# Altium PCB PCB_TEST.PcbDoc (part 3 of 6)
Units mil, origin at the board's own origin, x right, y up, seen from the top; angles counter-clockwise.
Board outline 6000 x 4000 mil, 2 copper layers (Top Layer, Bottom Layer); 1506 components, 800 nets, 4143 pads, 6 vias.
Unrouted connection lines stored in the file: 2993.
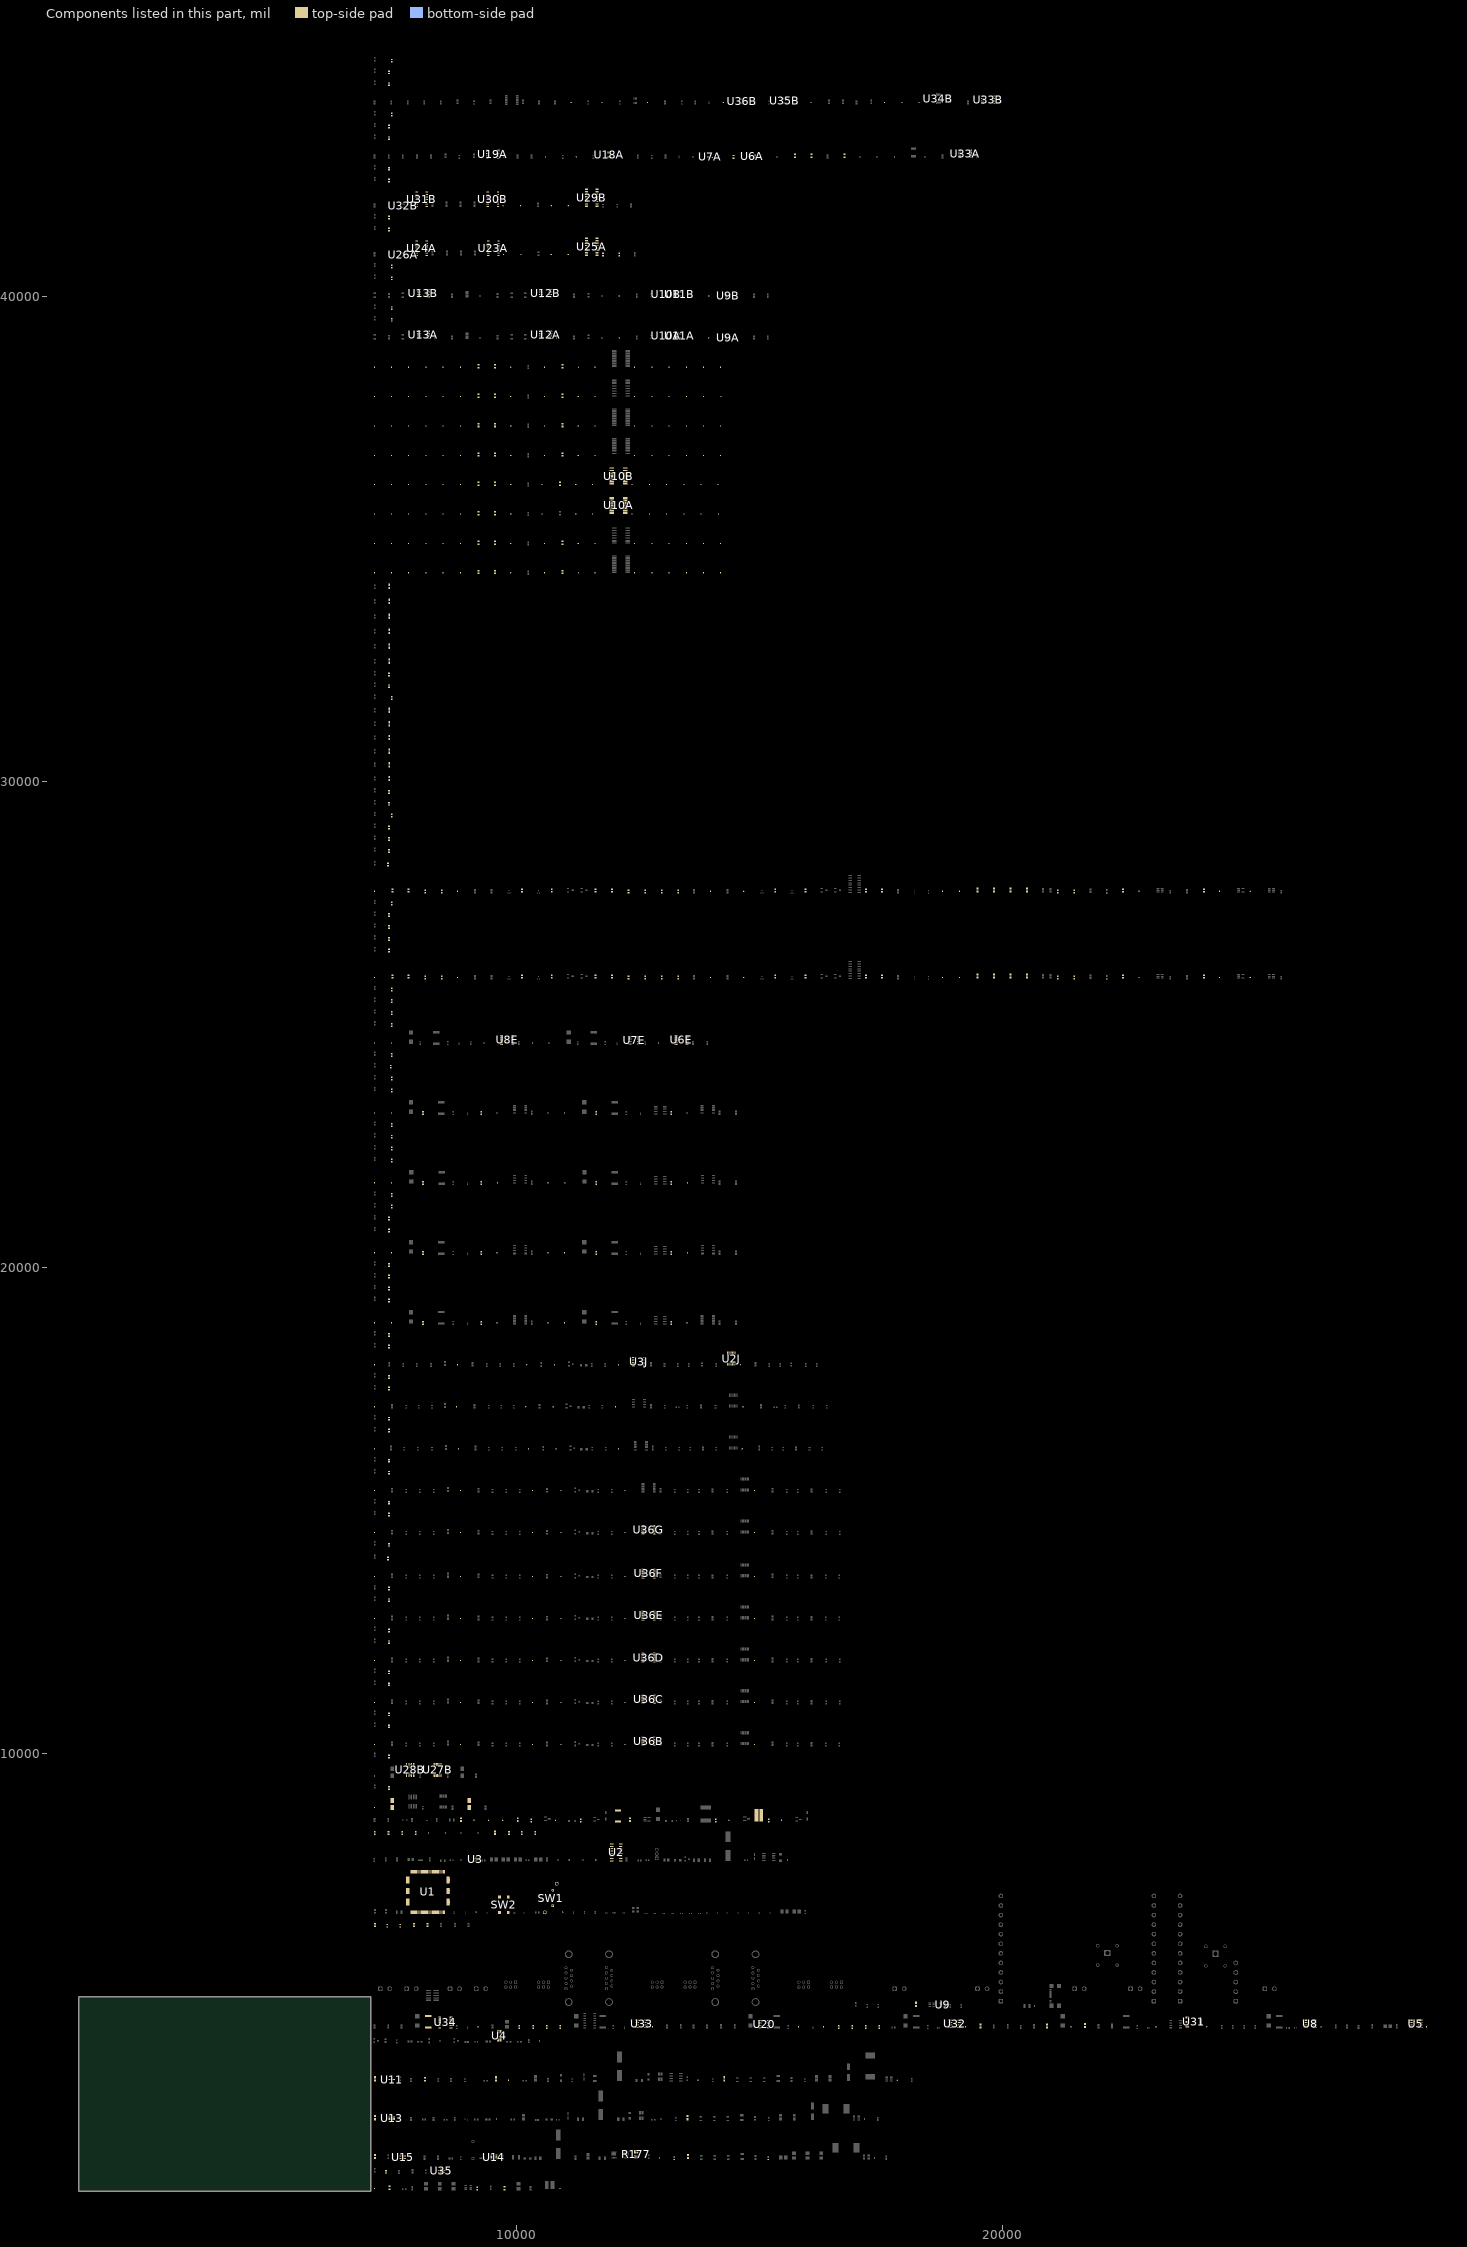
[diagram p3: the components of this part, seen from the top]

## Components (designator, comment, footprint, x,y, rotation, side; value= is the part's Value field where it differs from the comment) (continued)
R106B "Resistor 10k +/-1% 0603 100 mW" RESC1608X55X25ML10T15 10900,36135 r90 top value=10k (schematic designator R176)
R107 "Resistor 22R +/-1% 0603 100 mW" RESC1609X50X30ML08T20 8175,6475 r90 top value=22
R107A "Resistor 10k +/-1% 0603 100 mW" RESC1608X55X25ML10T15 9220,35530 r90 top value=10k (schematic designator R177)
R107B "Resistor 10k +/-1% 0603 100 mW" RESC1608X55X25ML10T15 9220,36135 r90 top value=10k (schematic designator R177)
R108 "Resistor 22R +/-1% 0603 100 mW" RESC1609X50X30ML08T20 7895,6475 r90 top value=22
R108A "Resistor 10k +/-1% 0603 100 mW" RESC1608X55X25ML10T15 9560,35530 r90 top value=10k (schematic designator R178)
R108B "Resistor 10k +/-1% 0603 100 mW" RESC1608X55X25ML10T15 9560,36135 r90 top value=10k (schematic designator R178)
R109 "AC0603JR-1347KL" FP-AC0603-IPC_C 7610,6460 r90 top value=47k
R110 "AC0603JR-1347KL" FP-AC0603-IPC_C 7340,6460 r90 top value=47k
R111 "AC0603FR-7W100KL" FP-AC0603-IPC_C 15185,1675 r90 top value=100k (schematic designator R137)
R111 "Resistor 10k +/-1% 0603 100 mW" RESC1608X55X25ML10T15 7095,6475 r90 top value=10k
R112 "CRGCQ0603J1K5" FP-CRGCQ0603-IPC_A 18225,4840 r90 top value=1.5k
R112 "AC0603FR-0719K1L" FP-AC0603-IPC_C 13255,1675 r90 top value=19.1k (schematic designator R139)
R113 "CRCW060333K2FKEAHP" FP-CRCW0603-HPe3-MFG 9755,1055 r90 top value=33.2k (schematic designator R148)
R114 "Resistor 10k +/-1% 0603 100 mW" RESC1608X55X25ML10T15 7390,1070 r90 top value=10k (schematic designator R150)
R116 "CRGCQ0603F12K" FP-CRGCQ0603-IPC_A 14280,3310 r90 top value=12k
R116A "AC0603FR-7W100KL" FP-AC0603-IPC_C 11785,40855 r90 top value=100k (schematic designator R85)
R117A "AC0603FR-7W100KL" FP-AC0603-IPC_C 12115,40855 r90 top value=100k (schematic designator R86)
R123 "MCT06030C2002FPW00" FP-MCT0603-IPC_A 21705,4405 r90 top value=20k (schematic designator R67)
R124 "RN73R1JTTD1004B25" FP-RN73R1J-IPC_B 20925,4395 r90 top value=1M (schematic designator R68)
R125 "CRGCQ0603F12K" FP-CRGCQ0603-IPC_A 7095,3310 r90 top value=12k
R125 "RN73R1JTTD1004B25" FP-RN73R1J-IPC_B 19555,4395 r90 top value=1M (schematic designator R69)
R126 "RT0603BRE0730KL" FP-RT0603-IPC_C 17195,4375 r90 top value=30k (schematic designator R72)
R127 "CRGCQ0603F5K6" FP-CRGCQ0603-IPC_A 13520,2510 r90 top value=5.6k
R128 "RT0603BRE0730KL" FP-RT0603-IPC_C 17470,4375 r90 top value=30k (schematic designator R73)
R129 "RT0603BRE0710KL" FP-RT0603-IPC_C 16635,4375 r90 top value=10k (schematic designator R74)
R136 "CRGCQ0603F5K6" FP-CRGCQ0603-IPC_A 7095,2510 r90 top value=5.6k
R138 "CRGCQ0603J1K5" FP-CRGCQ0603-IPC_A 13530,1710 r90 top value=1.5k
R142 "RT0603BRE0710KL" FP-RT0603-IPC_C 16915,4375 r90 top value=10k (schematic designator R75)
R143 "RT0603BRE0730KL" FP-RT0603-IPC_C 10625,4375 r90 top value=30k (schematic designator R78)
R144 "RT0603BRE0730KL" FP-RT0603-IPC_C 10905,4375 r90 top value=30k (schematic designator R79)
R145 "RT0603BRE0710KL" FP-RT0603-IPC_C 10065,4375 r90 top value=10k (schematic designator R80)
R146 "CRGCQ0603J1K5" FP-CRGCQ0603-IPC_A 7095,1710 r90 top value=1.5k
R146 "RT0603BRE0710KL" FP-RT0603-IPC_C 10345,4375 r90 top value=10k (schematic designator R81)
R147 "CRCW0603680RJNEA" FP-CRCW0603-e3-IPC_C 7320,1395 r90 top value=680
R149 "CRCW0603680RJNEA" FP-CRCW0603-e3-IPC_C 9195,1050 r90 top value=680
R151A "Resistor 100k +/-1% 0603 100 mW" RESC1608X55X25ML10T15 24155,25995 r90 top value=100k (schematic designator R151)
R151B "Resistor 100k +/-1% 0603 100 mW" RESC1608X55X25ML10T15 24155,27765 r90 top value=100k (schematic designator R151)
R152A "Resistor 100k +/-1% 0603 100 mW" RESC1608X55X25ML10T15 22490,25995 r90 top value=100k (schematic designator R152)
R152B "Resistor 100k +/-1% 0603 100 mW" RESC1608X55X25ML10T15 22490,27765 r90 top value=100k (schematic designator R152)
R153 "CRGCQ2512F10R" FP-CRGCQ2512-IPC_B 8185,4485 r90 top value=10 (schematic designator R82)
R153A "RMCF0603FG200K" FP-RMCF0603-MFG 22150,25975 r90 top value=200k (schematic designator R153)
R153B "RMCF0603FG200K" FP-RMCF0603-MFG 22150,27745 r90 top value=200k (schematic designator R153)
R154A "RT0603BRD072K2L" FP-RT0603-IPC_C 21140,25975 r90 top value=2.2k (schematic designator R154)
R154B "10k" FP-MCT0603-IPC_C 13190,18865 r90 top (schematic designator R32)
R154B "RT0603BRD072K2L" FP-RT0603-IPC_C 21140,27745 r90 top value=2.2k (schematic designator R154)
R154C "10k" FP-MCT0603-IPC_C 13190,20305 r90 top (schematic designator R32)
R154D "10k" FP-MCT0603-IPC_C 13190,21745 r90 top (schematic designator R32)
R154E "10k" FP-MCT0603-IPC_C 13190,23185 r90 top (schematic designator R32)
R155A "RT0603BRD072K2L" FP-RT0603-IPC_C 21480,25975 r90 top value=2.2k (schematic designator R155)
R155B "RT0603BRD072K2L" FP-RT0603-IPC_C 21480,27745 r90 top value=2.2k (schematic designator R155)
R156A "CRGCQ0603F33R" FP-CRGCQ0603-IPC_A 20175,26005 r90 top value=33 (schematic designator R156)
R156B "CRGCQ0603F33R" FP-CRGCQ0603-IPC_A 20175,27775 r90 top value=33 (schematic designator R156)
R156B "10k" FP-MCT0603-IPC_C 11645,18865 r90 top (schematic designator R34)
R156C "10k" FP-MCT0603-IPC_C 11645,20305 r90 top (schematic designator R34)
R156D "10k" FP-MCT0603-IPC_C 11645,21745 r90 top (schematic designator R34)
R156E "10k" FP-MCT0603-IPC_C 11645,23185 r90 top (schematic designator R34)
R157A "CRGCQ0603F33R" FP-CRGCQ0603-IPC_A 20515,26005 r90 top value=33 (schematic designator R157)
R157B "CRGCQ0603F33R" FP-CRGCQ0603-IPC_A 20515,27775 r90 top value=33 (schematic designator R157)
R157B "10k" FP-MCT0603-IPC_C 9280,18865 r90 top (schematic designator R35)
R157C "10k" FP-MCT0603-IPC_C 9280,20305 r90 top (schematic designator R35)
R157D "10k" FP-MCT0603-IPC_C 9280,21745 r90 top (schematic designator R35)
R157E "10k" FP-MCT0603-IPC_C 9280,23185 r90 top (schematic designator R35)
R158A "CRGCQ0603F33R" FP-CRGCQ0603-IPC_A 19495,26005 r90 top value=33 (schematic designator R158)
R158B "CRGCQ0603F33R" FP-CRGCQ0603-IPC_A 19495,27775 r90 top value=33 (schematic designator R158)
R159A "CRGCQ0603F33R" FP-CRGCQ0603-IPC_A 19835,26005 r90 top value=33 (schematic designator R159)
R159B "10k" FP-MCT0603-IPC_C 8080,18865 r90 top (schematic designator R37)
R159B "CRGCQ0603F33R" FP-CRGCQ0603-IPC_A 19835,27775 r90 top value=33 (schematic designator R159)
R159C "10k" FP-MCT0603-IPC_C 8080,20305 r90 top (schematic designator R37)
R159D "10k" FP-MCT0603-IPC_C 8080,21745 r90 top (schematic designator R37)
R159E "10k" FP-MCT0603-IPC_C 8080,23185 r90 top (schematic designator R37)
R160 "100k" FP-CRGCQ0603-IPC_C 15195,8625 r90 top value=100KΩ (schematic designator R44)
R160A "Resistor 100k +/-1% 0603 100 mW" RESC1608X55X25ML10T15 17525,25995 r90 top value=100k (schematic designator R160)
R160B "Resistor 100k +/-1% 0603 100 mW" RESC1608X55X25ML10T15 17525,27765 r90 top value=100k (schematic designator R160)
R161 "470" FP-LTR100-IPC_A 14995,8735 r0 top (schematic designator R45)
R161A "Resistor 100k +/-1% 0603 100 mW" RESC1608X55X25ML10T15 17195,25995 r90 top value=100k (schematic designator R161)
R161B "Resistor 100k +/-1% 0603 100 mW" RESC1608X55X25ML10T15 17195,27765 r90 top value=100k (schematic designator R161)
R162 "1M" FP-CRGP0603-IPC_C 14105,8625 r90 top (schematic designator R46)
R162A "Resistor 10k +/-1% 0603 100 mW" RESC1608X55X25ML10T15 15950,25995 r90 top value=10k (schematic designator R162)
R162B "Resistor 10k +/-1% 0603 100 mW" RESC1608X55X25ML10T15 15950,27765 r90 top value=10k (schematic designator R162)
R163 "100" FP-CRGP2512-IPC_C 12095,8720 r90 top value=100Ω (schematic designator R48)
R163A "Resistor 10k +/-1% 0603 100 mW" RESC1608X55X25ML10T15 15330,25995 r90 top value=10k (schematic designator R163)
R163B "Resistor 10k +/-1% 0603 100 mW" RESC1608X55X25ML10T15 15330,27765 r90 top value=10k (schematic designator R163)
R164 "Resistor 10k +/-1% 0603 100 mW" RESC1608X55X25ML10T15 12340,8645 r90 top value=10k (schematic designator R47)
R164A "RT0603BRD072K2L" FP-RT0603-IPC_C 12990,25975 r90 top value=2.2k (schematic designator R164)
R164B "RT0603BRD072K2L" FP-RT0603-IPC_C 12990,27745 r90 top value=2.2k (schematic designator R164)
R165 "100k" FP-CRGCQ0603-IPC_C 11330,8625 r90 top value=100KΩ (schematic designator R49)
R165A "RT0603BRD072K2L" FP-RT0603-IPC_C 13330,25975 r90 top value=2.2k (schematic designator R165)
R165B "RT0603BRD072K2L" FP-RT0603-IPC_C 13330,27745 r90 top value=2.2k (schematic designator R165)
R166 "1M" FP-CRGP0603-IPC_C 10305,8625 r90 top (schematic designator R50)
R166A "RT0603BRE0710KL" FP-RT0603-IPC_C 12310,25975 r90 top value=10k (schematic designator R166)
R166B "RT0603BRE0710KL" FP-RT0603-IPC_C 12310,27745 r90 top value=10k (schematic designator R166)
R167 "Resistor 10k +/-1% 0603 100 mW" RESC1608X55X25ML10T15 10030,8645 r90 top value=10k (schematic designator R51)
R167A "RT0603BRE0710KL" FP-RT0603-IPC_C 12650,25975 r90 top value=10k (schematic designator R167)
R167B "RT0603BRE0710KL" FP-RT0603-IPC_C 12650,27745 r90 top value=10k (schematic designator R167)
R168 "Resistor 10k +/-1% 0603 100 mW" RESC1608X55X25ML10T15 8865,8645 r90 top value=10k (schematic designator R52)
R168A "Resistor 100k +/-1% 0603 100 mW" RESC1608X55X25ML10T15 11970,25995 r90 top value=100k (schematic designator R168)
R168B "Resistor 100k +/-1% 0603 100 mW" RESC1608X55X25ML10T15 11970,27765 r90 top value=100k (schematic designator R168)
R169A "Resistor 100k +/-1% 0603 100 mW" RESC1608X55X25ML10T15 11630,25995 r90 top value=100k (schematic designator R169)
R169A "60" FP-MCS1632-MFG 9035,8965 r90 top value=50mΩ (schematic designator R83)
R169B "Resistor 100k +/-1% 0603 100 mW" RESC1608X55X25ML10T15 11630,27765 r90 top value=100k (schematic designator R169)
R170A "60" FP-MCS1632-MFG 7450,8965 r90 top value=50mΩ (schematic designator R84)
R170A "Resistor 10k +/-1% 0603 100 mW" RESC1608X55X25ML10T15 10730,25995 r90 top value=10k (schematic designator R170)
R170B "Resistor 10k +/-1% 0603 100 mW" RESC1608X55X25ML10T15 10730,27765 r90 top value=10k (schematic designator R170)
R171A "Resistor 10k +/-1% 0603 100 mW" RESC1608X55X25ML10T15 10120,25995 r90 top value=10k (schematic designator R171)
R171A "Resistor 10k +/-1% 0603 100 mW" RESC1608X55X25ML10T15 16755,42885 r90 top value=10k (schematic designator R92)
R171B "Resistor 10k +/-1% 0603 100 mW" RESC1608X55X25ML10T15 10120,27765 r90 top value=10k (schematic designator R171)
R172A "Resistor 10k +/-1% 0603 100 mW" RESC1608X55X25ML10T15 15735,42885 r90 top value=10k (schematic designator R94)
R172A "RT0603BRD074K7L" FP-RT0603-IPC_C 8125,25975 r90 top value=4.7k (schematic designator R172)
R172B "RT0603BRD074K7L" FP-RT0603-IPC_C 8125,27745 r90 top value=4.7k (schematic designator R172)
R173A "Resistor 10k +/-1% 0603 100 mW" RESC1608X55X25ML10T15 16075,42885 r90 top value=10k (schematic designator R93)
R173A "RT0603BRD074K7L" FP-RT0603-IPC_C 8465,25975 r90 top value=4.7k (schematic designator R173)
R173B "RT0603BRD074K7L" FP-RT0603-IPC_C 8465,27745 r90 top value=4.7k (schematic designator R173)
R174A "AC0603FR-7W100KL" FP-AC0603-IPC_C 14470,42865 r90 top value=100k (schematic designator R95)
R174A "RT0603BRE071KL" RESC1608X55X25ML10T15 7450,25995 r90 top value=1k (schematic designator R174)
R174B "RT0603BRE071KL" RESC1608X55X25ML10T15 7450,27765 r90 top value=1k (schematic designator R174)
R175 "CRGCQ0603F150K" FP-CRGCQ0603-IPC_A 9580,3310 r90 top value=150k (schematic designator R122)
R175A "RT0603BRE071KL" RESC1608X55X25ML10T15 7785,25995 r90 top value=1k (schematic designator R175)
R175B "RT0603BRE071KL" RESC1608X55X25ML10T15 7785,27765 r90 top value=1k (schematic designator R175)
R176 "Resistor 10k +/-1% 0603 100 mW" RESC1608X55X25ML10T15 8125,3300 r90 top value=10k (schematic designator R124)
R176A "Resistor 10k +/-1% 0603 100 mW" RESC1608X55X25ML10T15 10950,34320 r90 top value=10k (schematic designator R176)
R176B "Resistor 10k +/-1% 0603 100 mW" RESC1608X55X25ML10T15 10950,34925 r90 top value=10k (schematic designator R176)
R176E "Resistor 10k +/-1% 0603 100 mW" RESC1608X55X25ML10T15 10950,36740 r90 top value=10k (schematic designator R176)
R176F "Resistor 10k +/-1% 0603 100 mW" RESC1608X55X25ML10T15 10950,37345 r90 top value=10k (schematic designator R176)
R176G "Resistor 10k +/-1% 0603 100 mW" RESC1608X55X25ML10T15 10950,37950 r90 top value=10k (schematic designator R176)
R176H "Resistor 10k +/-1% 0603 100 mW" RESC1608X55X25ML10T15 10950,38555 r90 top value=10k (schematic designator R176)
R177 "L4T12FR020DER" FP-L4T12-MFG 12470,1755 r90 top value=20m (schematic designator R140)
R177A "Resistor 10k +/-1% 0603 100 mW" RESC1608X55X25ML10T15 9220,34320 r90 top value=10k (schematic designator R177)
R177B "Resistor 10k +/-1% 0603 100 mW" RESC1608X55X25ML10T15 9220,34925 r90 top value=10k (schematic designator R177)
R177E "Resistor 10k +/-1% 0603 100 mW" RESC1608X55X25ML10T15 9220,36740 r90 top value=10k (schematic designator R177)
R177F "Resistor 10k +/-1% 0603 100 mW" RESC1608X55X25ML10T15 9220,37345 r90 top value=10k (schematic designator R177)
R177G "Resistor 10k +/-1% 0603 100 mW" RESC1608X55X25ML10T15 9220,37950 r90 top value=10k (schematic designator R177)
R177H "Resistor 10k +/-1% 0603 100 mW" RESC1608X55X25ML10T15 9220,38555 r90 top value=10k (schematic designator R177)
R178A "Resistor 10k +/-1% 0603 100 mW" RESC1608X55X25ML10T15 9560,34320 r90 top value=10k (schematic designator R178)
R178B "Resistor 10k +/-1% 0603 100 mW" RESC1608X55X25ML10T15 9560,34925 r90 top value=10k (schematic designator R178)
R178E "Resistor 10k +/-1% 0603 100 mW" RESC1608X55X25ML10T15 9560,36740 r90 top value=10k (schematic designator R178)
R178F "Resistor 10k +/-1% 0603 100 mW" RESC1608X55X25ML10T15 9560,37345 r90 top value=10k (schematic designator R178)
R178G "Resistor 10k +/-1% 0603 100 mW" RESC1608X55X25ML10T15 9560,37950 r90 top value=10k (schematic designator R178)
R178H "Resistor 10k +/-1% 0603 100 mW" RESC1608X55X25ML10T15 9560,38555 r90 top value=10k (schematic designator R178)
R179A "CRCW0603680RJNEA" FP-CRCW0603-e3-IPC_C 7380,29550 r90 top value=680 (schematic designator R179)
R179B "CRCW0603680RJNEA" FP-CRCW0603-e3-IPC_C 7380,29795 r90 top value=680 (schematic designator R179)
R179C "CRCW0603680RJNEA" FP-CRCW0603-e3-IPC_C 7380,9295 r90 top value=680 (schematic designator R179)
R179D "CRCW0603680RJNEA" FP-CRCW0603-e3-IPC_C 7380,9945 r90 top value=680 (schematic designator R179)
R179E "CRCW0603680RJNEA" FP-CRCW0603-e3-IPC_C 7380,26530 r90 top value=680 (schematic designator R179)
R179F "CRCW0603680RJNEA" FP-CRCW0603-e3-IPC_C 7380,26770 r90 top value=680 (schematic designator R179)
R179G "CRCW0603680RJNEA" FP-CRCW0603-e3-IPC_C 7380,27015 r90 top value=680 (schematic designator R179)
R179H "CRCW0603680RJNEA" FP-CRCW0603-e3-IPC_C 7380,27260 r90 top value=680 (schematic designator R179)
R179I "CRCW0603680RJNEA" FP-CRCW0603-e3-IPC_C 7360,28300 r90 top value=680 (schematic designator R179)
R179J "CRCW0603680RJNEA" FP-CRCW0603-e3-IPC_C 7380,28580 r90 top value=680 (schematic designator R179)
R179K "CRCW0603680RJNEA" FP-CRCW0603-e3-IPC_C 7380,28825 r90 top value=680 (schematic designator R179)
R179L "CRCW0603680RJNEA" FP-CRCW0603-e3-IPC_C 7380,29065 r90 top value=680 (schematic designator R179)
R179M "CRCW0603680RJNEA" FP-CRCW0603-e3-IPC_C 7380,31970 r90 top value=680 (schematic designator R179)
R179N "CRCW0603680RJNEA" FP-CRCW0603-e3-IPC_C 7380,32210 r90 top value=680 (schematic designator R179)
R179O "CRCW0603680RJNEA" FP-CRCW0603-e3-IPC_C 7380,43250 r90 top value=680 (schematic designator R179)
R179P "CRCW0603680RJNEA" FP-CRCW0603-e3-IPC_C 7380,43490 r90 top value=680 (schematic designator R179)
R179Q "CRCW0603680RJNEA" FP-CRCW0603-e3-IPC_C 7380,44360 r90 top value=680 (schematic designator R179)
R179R "CRCW0603680RJNEA" FP-CRCW0603-e3-IPC_C 7380,44605 r90 top value=680 (schematic designator R179)
R180A "CRCW0603680RJNEA" FP-CRCW0603-e3-IPC_C 7380,10565 r90 top value=680 (schematic designator R180)
R180AA "CRCW0603680RJNEA" FP-CRCW0603-e3-IPC_C 7440,21260 r90 top value=680 (schematic designator R180)
R180AB "CRCW0603680RJNEA" FP-CRCW0603-e3-IPC_C 7440,21500 r90 top value=680 (schematic designator R180)
R180AC "CRCW0603680RJNEA" FP-CRCW0603-e3-IPC_C 7440,22210 r90 top value=680 (schematic designator R180)
R180AD "CRCW0603680RJNEA" FP-CRCW0603-e3-IPC_C 7440,22455 r90 top value=680 (schematic designator R180)
R180AE "CRCW0603680RJNEA" FP-CRCW0603-e3-IPC_C 7440,22700 r90 top value=680 (schematic designator R180)
R180AF "CRCW0603680RJNEA" FP-CRCW0603-e3-IPC_C 7440,22940 r90 top value=680 (schematic designator R180)
R180AG "CRCW0603680RJNEA" FP-CRCW0603-e3-IPC_C 7440,23650 r90 top value=680 (schematic designator R180)
R180AH "CRCW0603680RJNEA" FP-CRCW0603-e3-IPC_C 7440,23895 r90 top value=680 (schematic designator R180)
R180AI "CRCW0603680RJNEA" FP-CRCW0603-e3-IPC_C 7420,24140 r90 top value=680 (schematic designator R180)
R180AJ "CRCW0603680RJNEA" FP-CRCW0603-e3-IPC_C 7440,24380 r90 top value=680 (schematic designator R180)
R180AK "CRCW0603680RJNEA" FP-CRCW0603-e3-IPC_C 7440,25000 r90 top value=680 (schematic designator R180)
R180AL "CRCW0603680RJNEA" FP-CRCW0603-e3-IPC_C 7440,25245 r90 top value=680 (schematic designator R180)
R180AM "CRCW0603680RJNEA" FP-CRCW0603-e3-IPC_C 7440,25490 r90 top value=680 (schematic designator R180)
R180AN "CRCW0603680RJNEA" FP-CRCW0603-e3-IPC_C 7440,25730 r90 top value=680 (schematic designator R180)
R180AO "CRCW0603680RJNEA" FP-CRCW0603-e3-IPC_C 7440,27500 r90 top value=680 (schematic designator R180)
R180AP "CRCW0603680RJNEA" FP-CRCW0603-e3-IPC_C 7440,29310 r90 top value=680 (schematic designator R180)
R180AQ "CRCW0603680RJNEA" FP-CRCW0603-e3-IPC_C 7440,39510 r90 top value=680 (schematic designator R180)
R180AR "CRCW0603680RJNEA" FP-CRCW0603-e3-IPC_C 7440,39750 r90 top value=680 (schematic designator R180)
R180AS "CRCW0603680RJNEA" FP-CRCW0603-e3-IPC_C 7440,40365 r90 top value=680 (schematic designator R180)
R180AT "CRCW0603680RJNEA" FP-CRCW0603-e3-IPC_C 7440,40610 r90 top value=680 (schematic designator R180)
R180AU "CRCW0603680RJNEA" FP-CRCW0603-e3-IPC_C 7440,31725 r90 top value=680 (schematic designator R180)
R180AV "CRCW0603680RJNEA" FP-CRCW0603-e3-IPC_C 7440,43735 r90 top value=680 (schematic designator R180)
R180AW "CRCW0603680RJNEA" FP-CRCW0603-e3-IPC_C 7440,44845 r90 top value=680 (schematic designator R180)
R180B "CRCW0603680RJNEA" FP-CRCW0603-e3-IPC_C 7380,10810 r90 top value=680 (schematic designator R180)
R180C "CRCW0603680RJNEA" FP-CRCW0603-e3-IPC_C 7380,11430 r90 top value=680 (schematic designator R180)
R180D "CRCW0603680RJNEA" FP-CRCW0603-e3-IPC_C 7380,11675 r90 top value=680 (schematic designator R180)
R180E "CRCW0603680RJNEA" FP-CRCW0603-e3-IPC_C 7380,12295 r90 top value=680 (schematic designator R180)
R180F "CRCW0603680RJNEA" FP-CRCW0603-e3-IPC_C 7380,12535 r90 top value=680 (schematic designator R180)
R180G "CRCW0603680RJNEA" FP-CRCW0603-e3-IPC_C 7380,13160 r90 top value=680 (schematic designator R180)
R180H "CRCW0603680RJNEA" FP-CRCW0603-e3-IPC_C 7380,13400 r90 top value=680 (schematic designator R180)
R180I "CRCW0603680RJNEA" FP-CRCW0603-e3-IPC_C 7360,14020 r90 top value=680 (schematic designator R180)
R180J "CRCW0603680RJNEA" FP-CRCW0603-e3-IPC_C 7380,14300 r90 top value=680 (schematic designator R180)
R180K "CRCW0603680RJNEA" FP-CRCW0603-e3-IPC_C 7380,14925 r90 top value=680 (schematic designator R180)
R180L "CRCW0603680RJNEA" FP-CRCW0603-e3-IPC_C 7380,15165 r90 top value=680 (schematic designator R180)
R180M "CRCW0603680RJNEA" FP-CRCW0603-e3-IPC_C 7380,15785 r90 top value=680 (schematic designator R180)
R180N "CRCW0603680RJNEA" FP-CRCW0603-e3-IPC_C 7380,16030 r90 top value=680 (schematic designator R180)
R180O "CRCW0603680RJNEA" FP-CRCW0603-e3-IPC_C 7380,16650 r90 top value=680 (schematic designator R180)
R180P "CRCW0603680RJNEA" FP-CRCW0603-e3-IPC_C 7380,16895 r90 top value=680 (schematic designator R180)
R180Q "CRCW0603680RJNEA" FP-CRCW0603-e3-IPC_C 7380,17515 r90 top value=680 (schematic designator R180)
R180R "CRCW0603680RJNEA" FP-CRCW0603-e3-IPC_C 7380,17755 r90 top value=680 (schematic designator R180)
R180S "CRCW0603680RJNEA" FP-CRCW0603-e3-IPC_C 7380,18380 r90 top value=680 (schematic designator R180)
R180T "CRCW0603680RJNEA" FP-CRCW0603-e3-IPC_C 7380,18620 r90 top value=680 (schematic designator R180)
R180U "CRCW0603680RJNEA" FP-CRCW0603-e3-IPC_C 7380,19330 r90 top value=680 (schematic designator R180)
R180V "CRCW0603680RJNEA" FP-CRCW0603-e3-IPC_C 7380,19575 r90 top value=680 (schematic designator R180)
R180W "CRCW0603680RJNEA" FP-CRCW0603-e3-IPC_C 7380,19820 r90 top value=680 (schematic designator R180)
R180X "CRCW0603680RJNEA" FP-CRCW0603-e3-IPC_C 7380,20060 r90 top value=680 (schematic designator R180)